# Altium PCB HallFM2.PcbDoc
Units mm, origin at the board's own origin, x right, y up, seen from the top; angles counter-clockwise.
Board outline 110 x 92 mm, 4 copper layers (Top Layer, Signal Layer 1, Signal Layer 2, Bottom Layer), stack 0.971 mm thick; 232 components, 162 nets, 862 pads, 26 vias.
Unrouted connection lines stored in the file: 550.
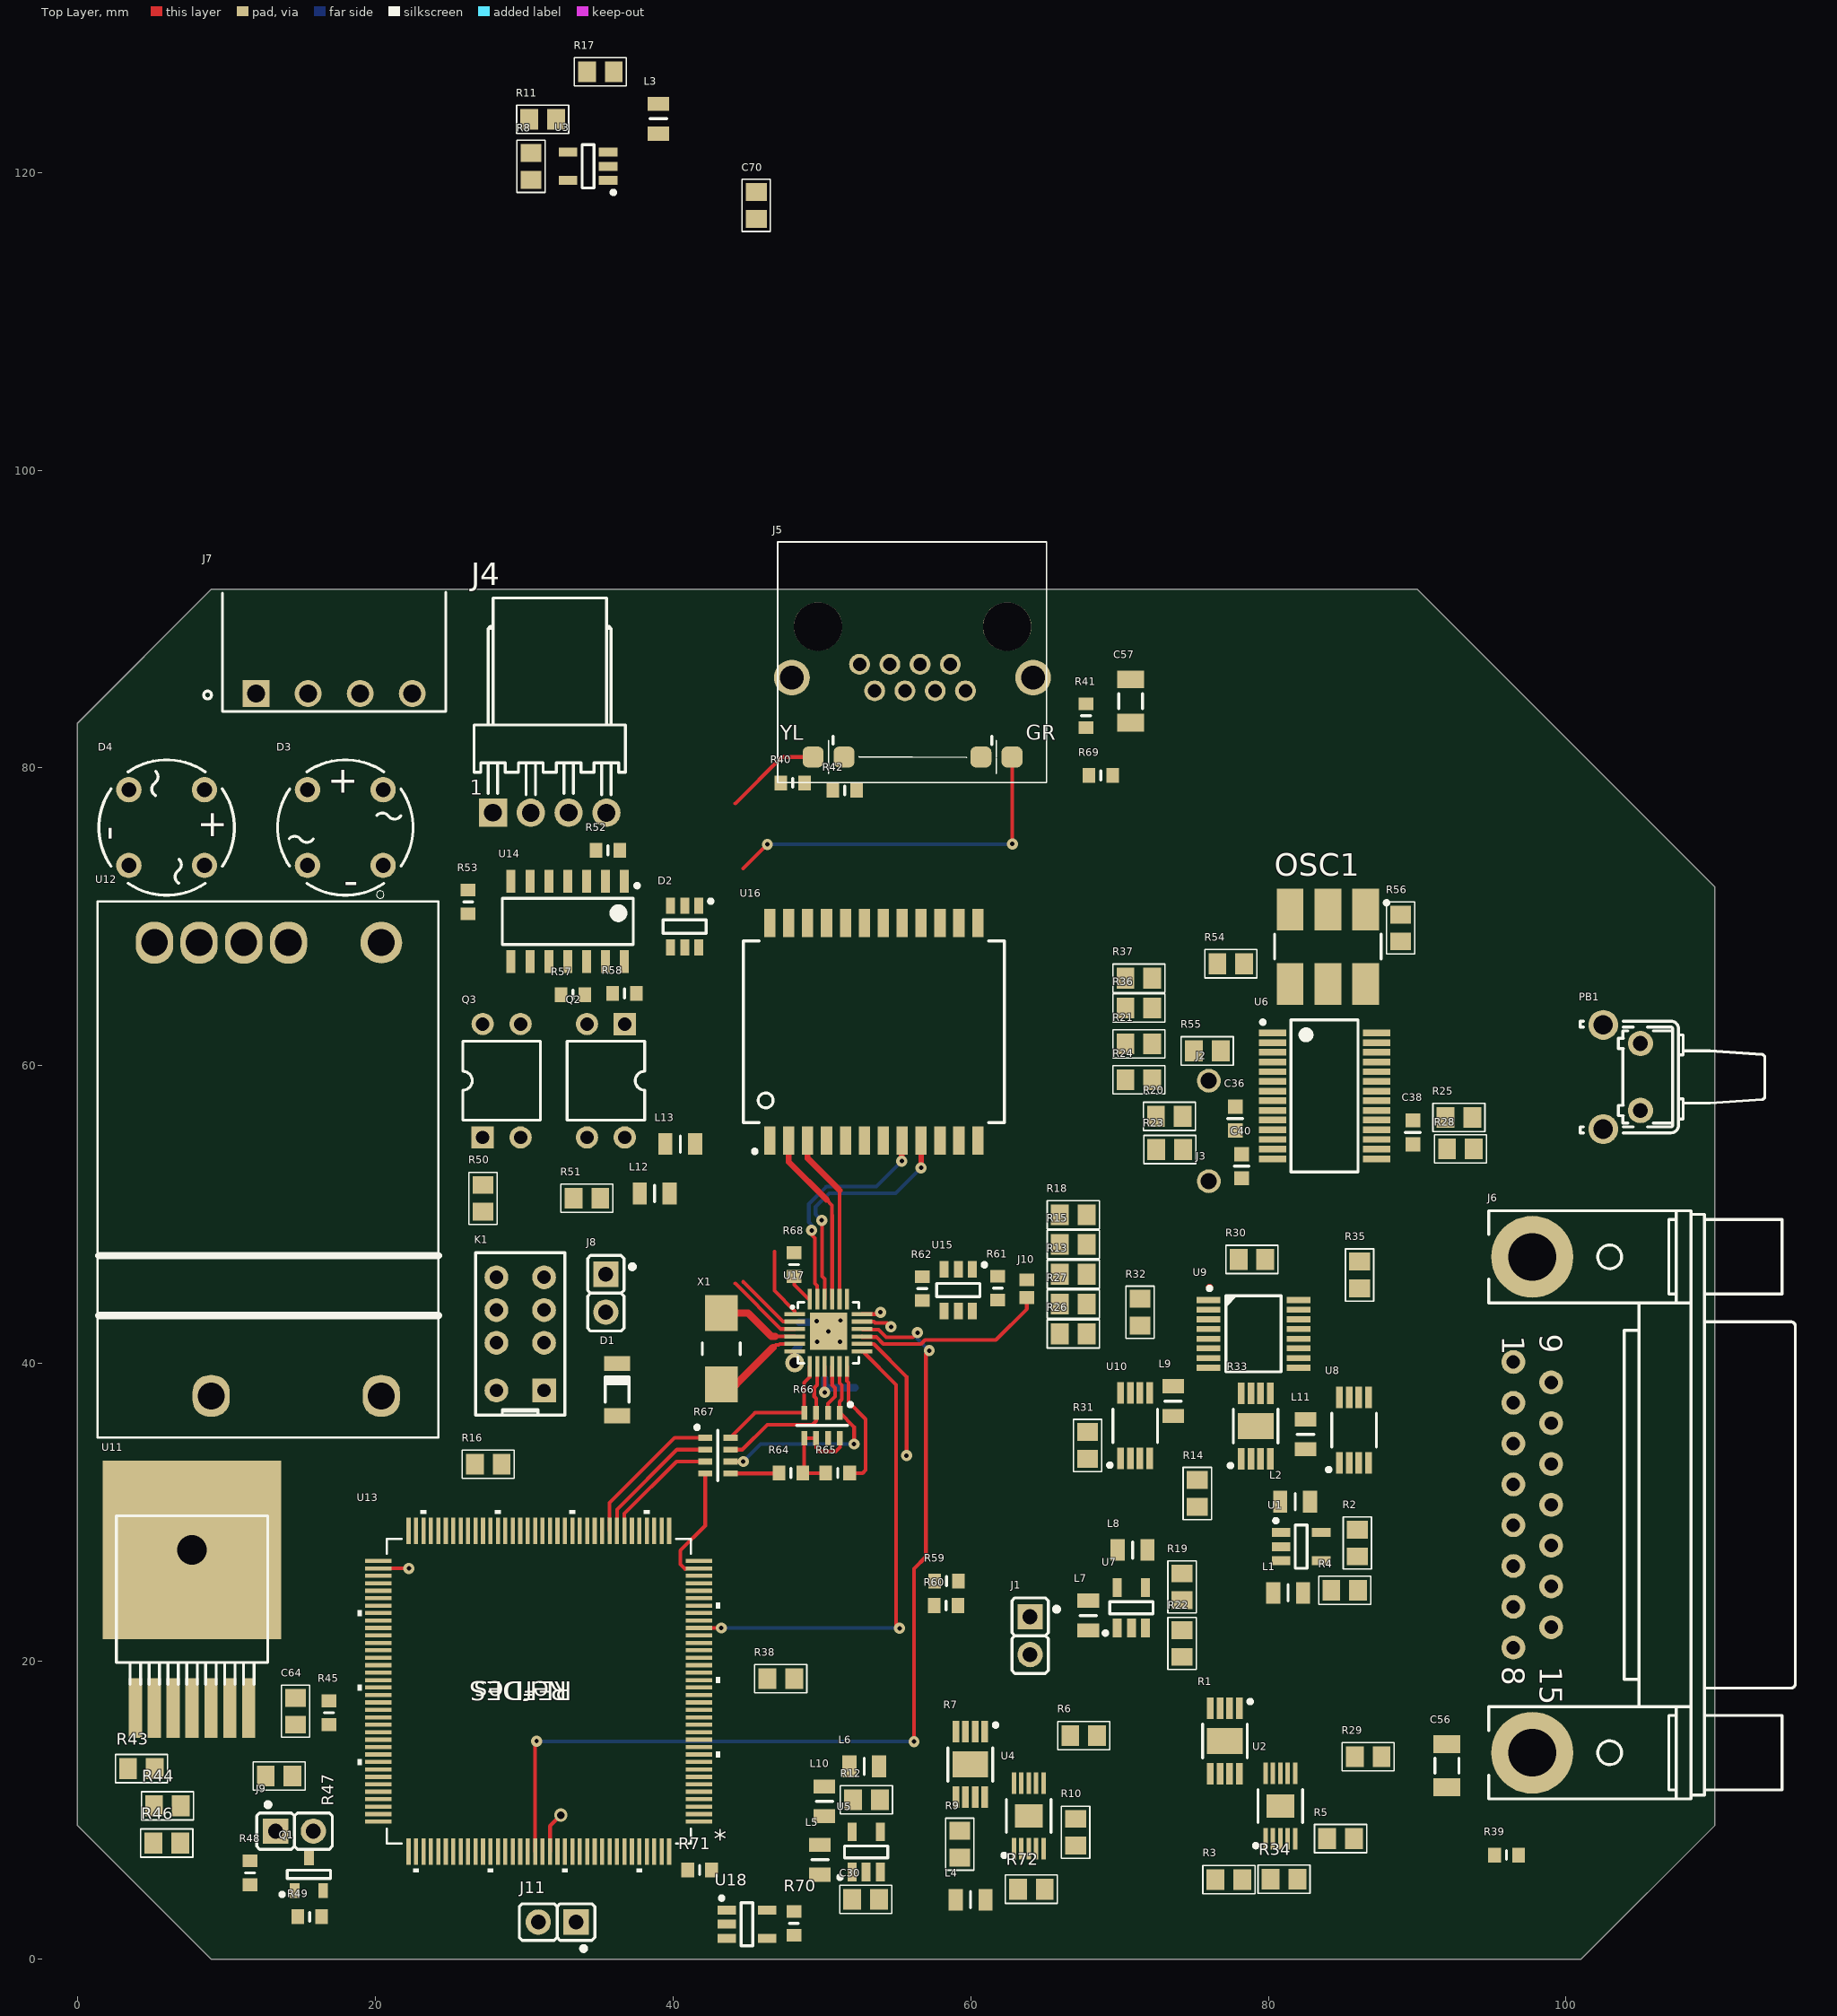
[diagram p0: Top Layer view]
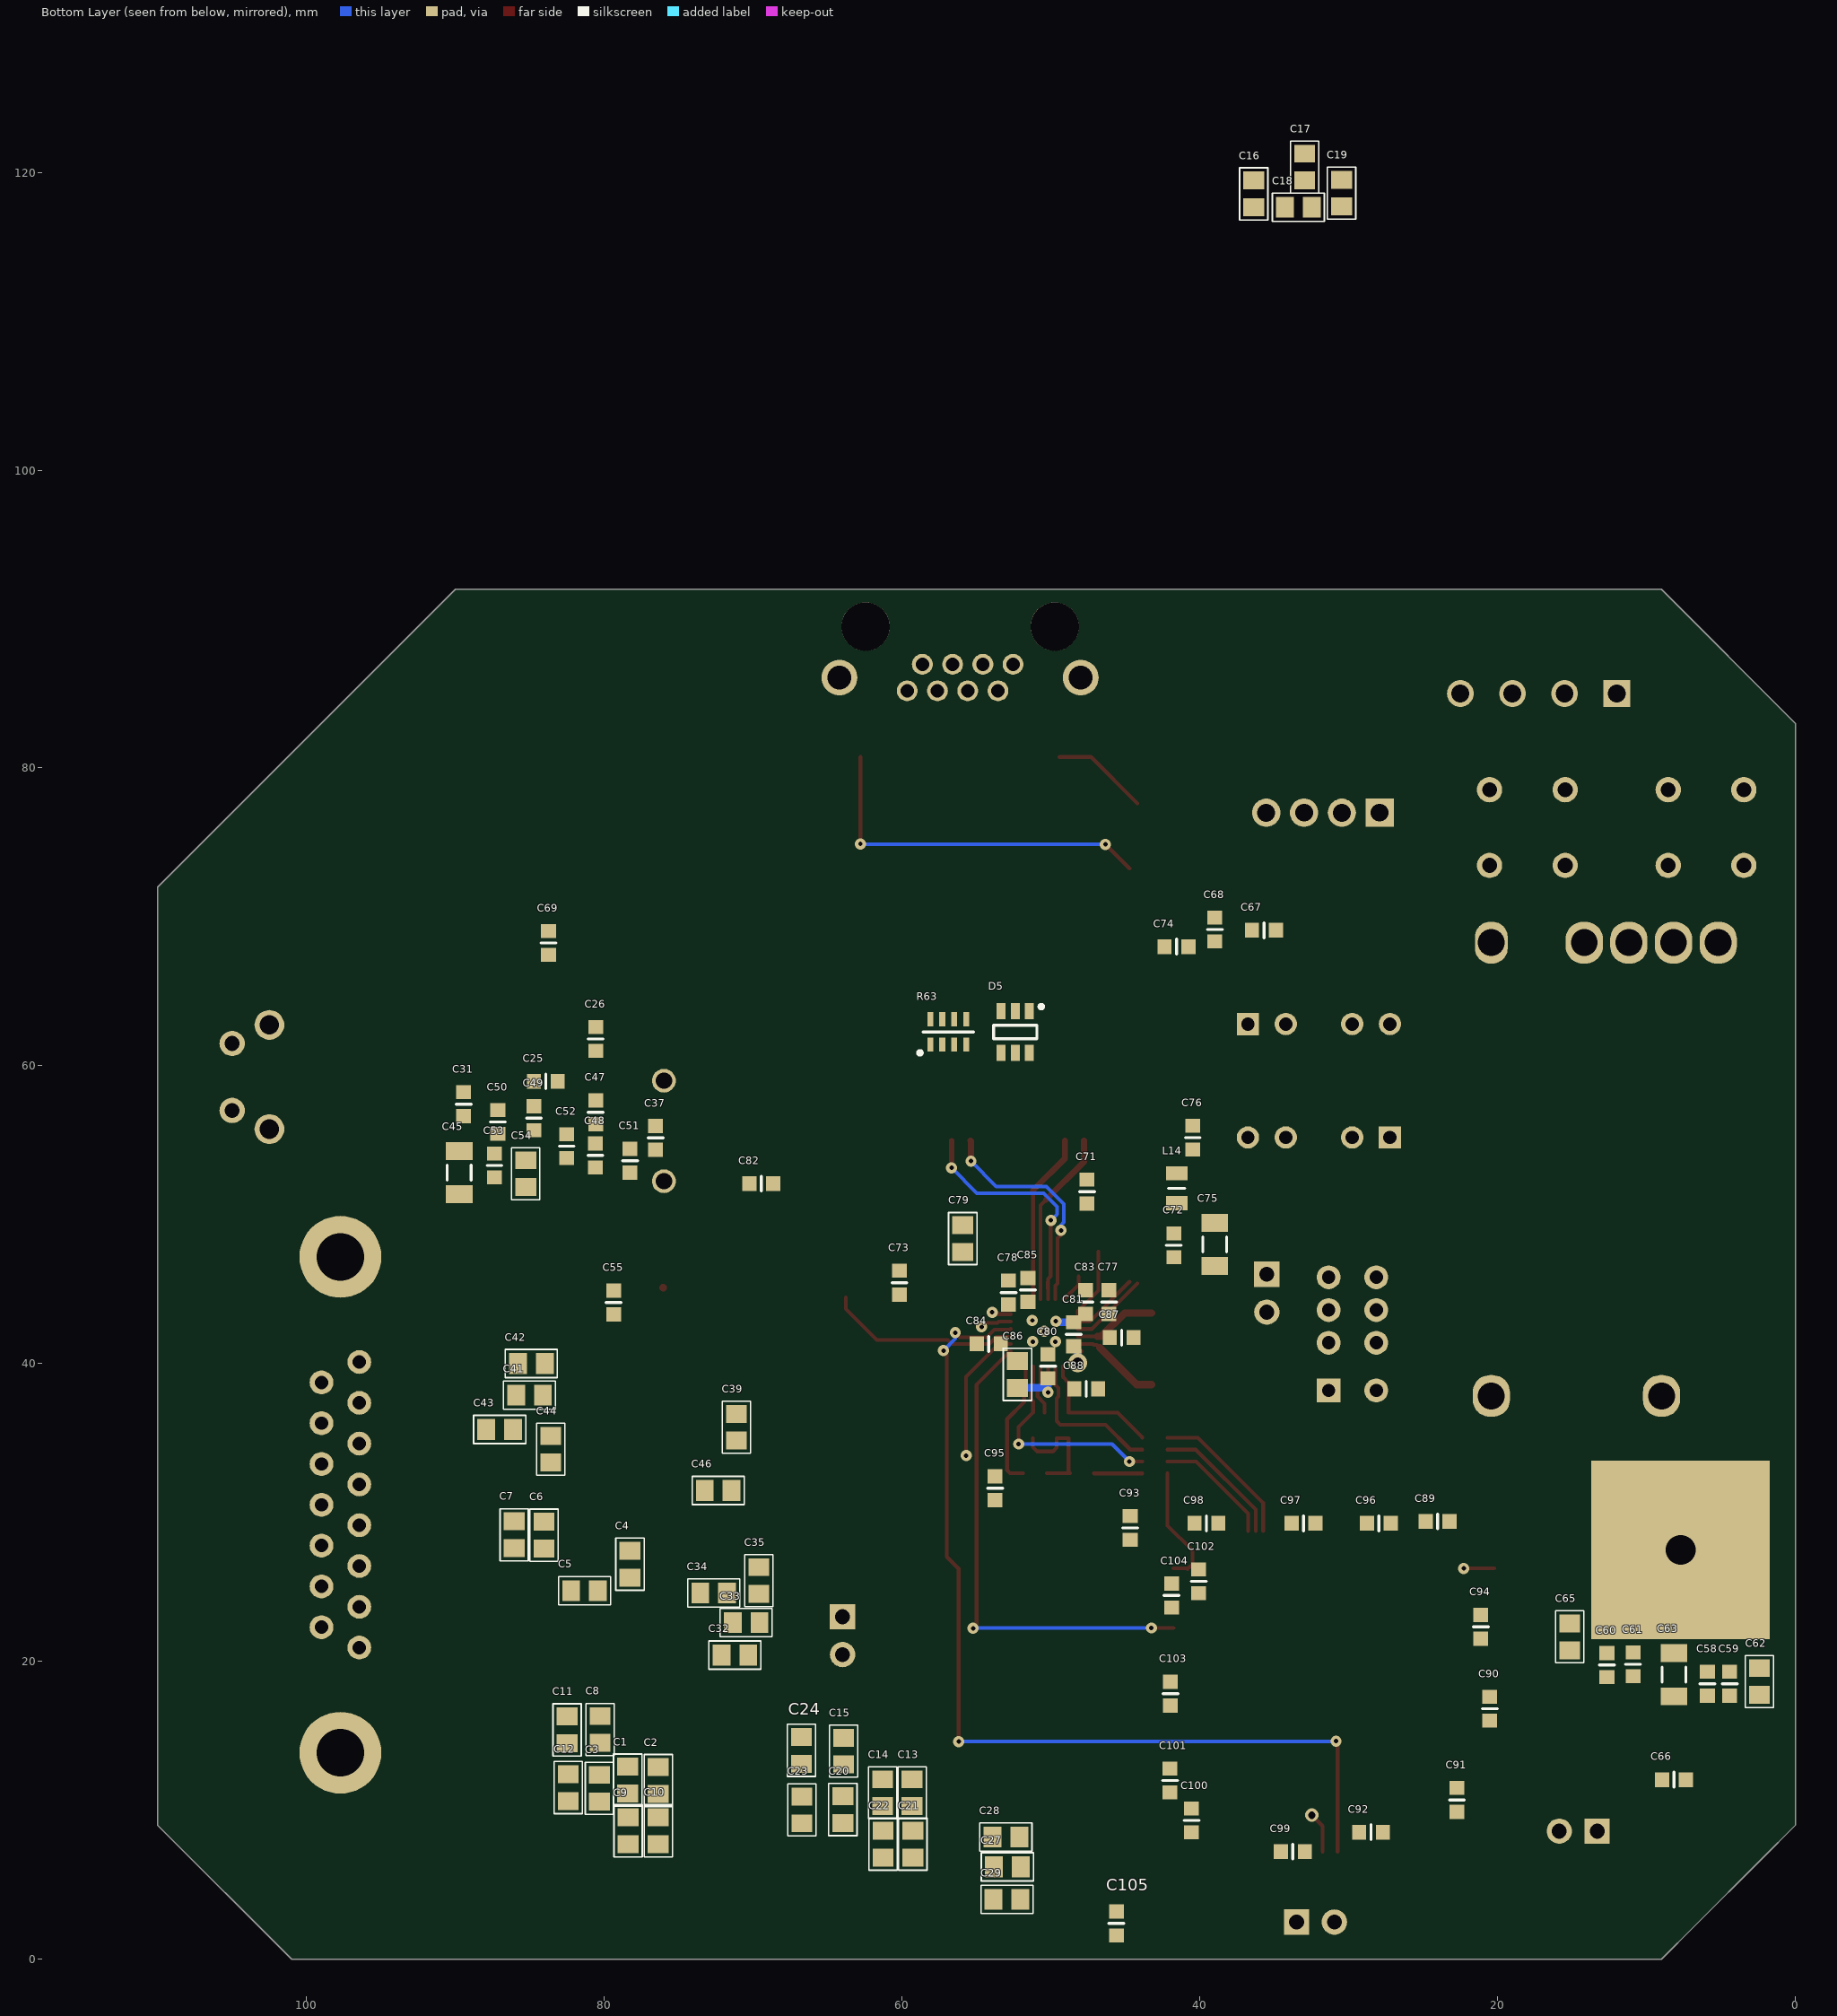
[diagram p1: Bottom Layer view, seen from below]
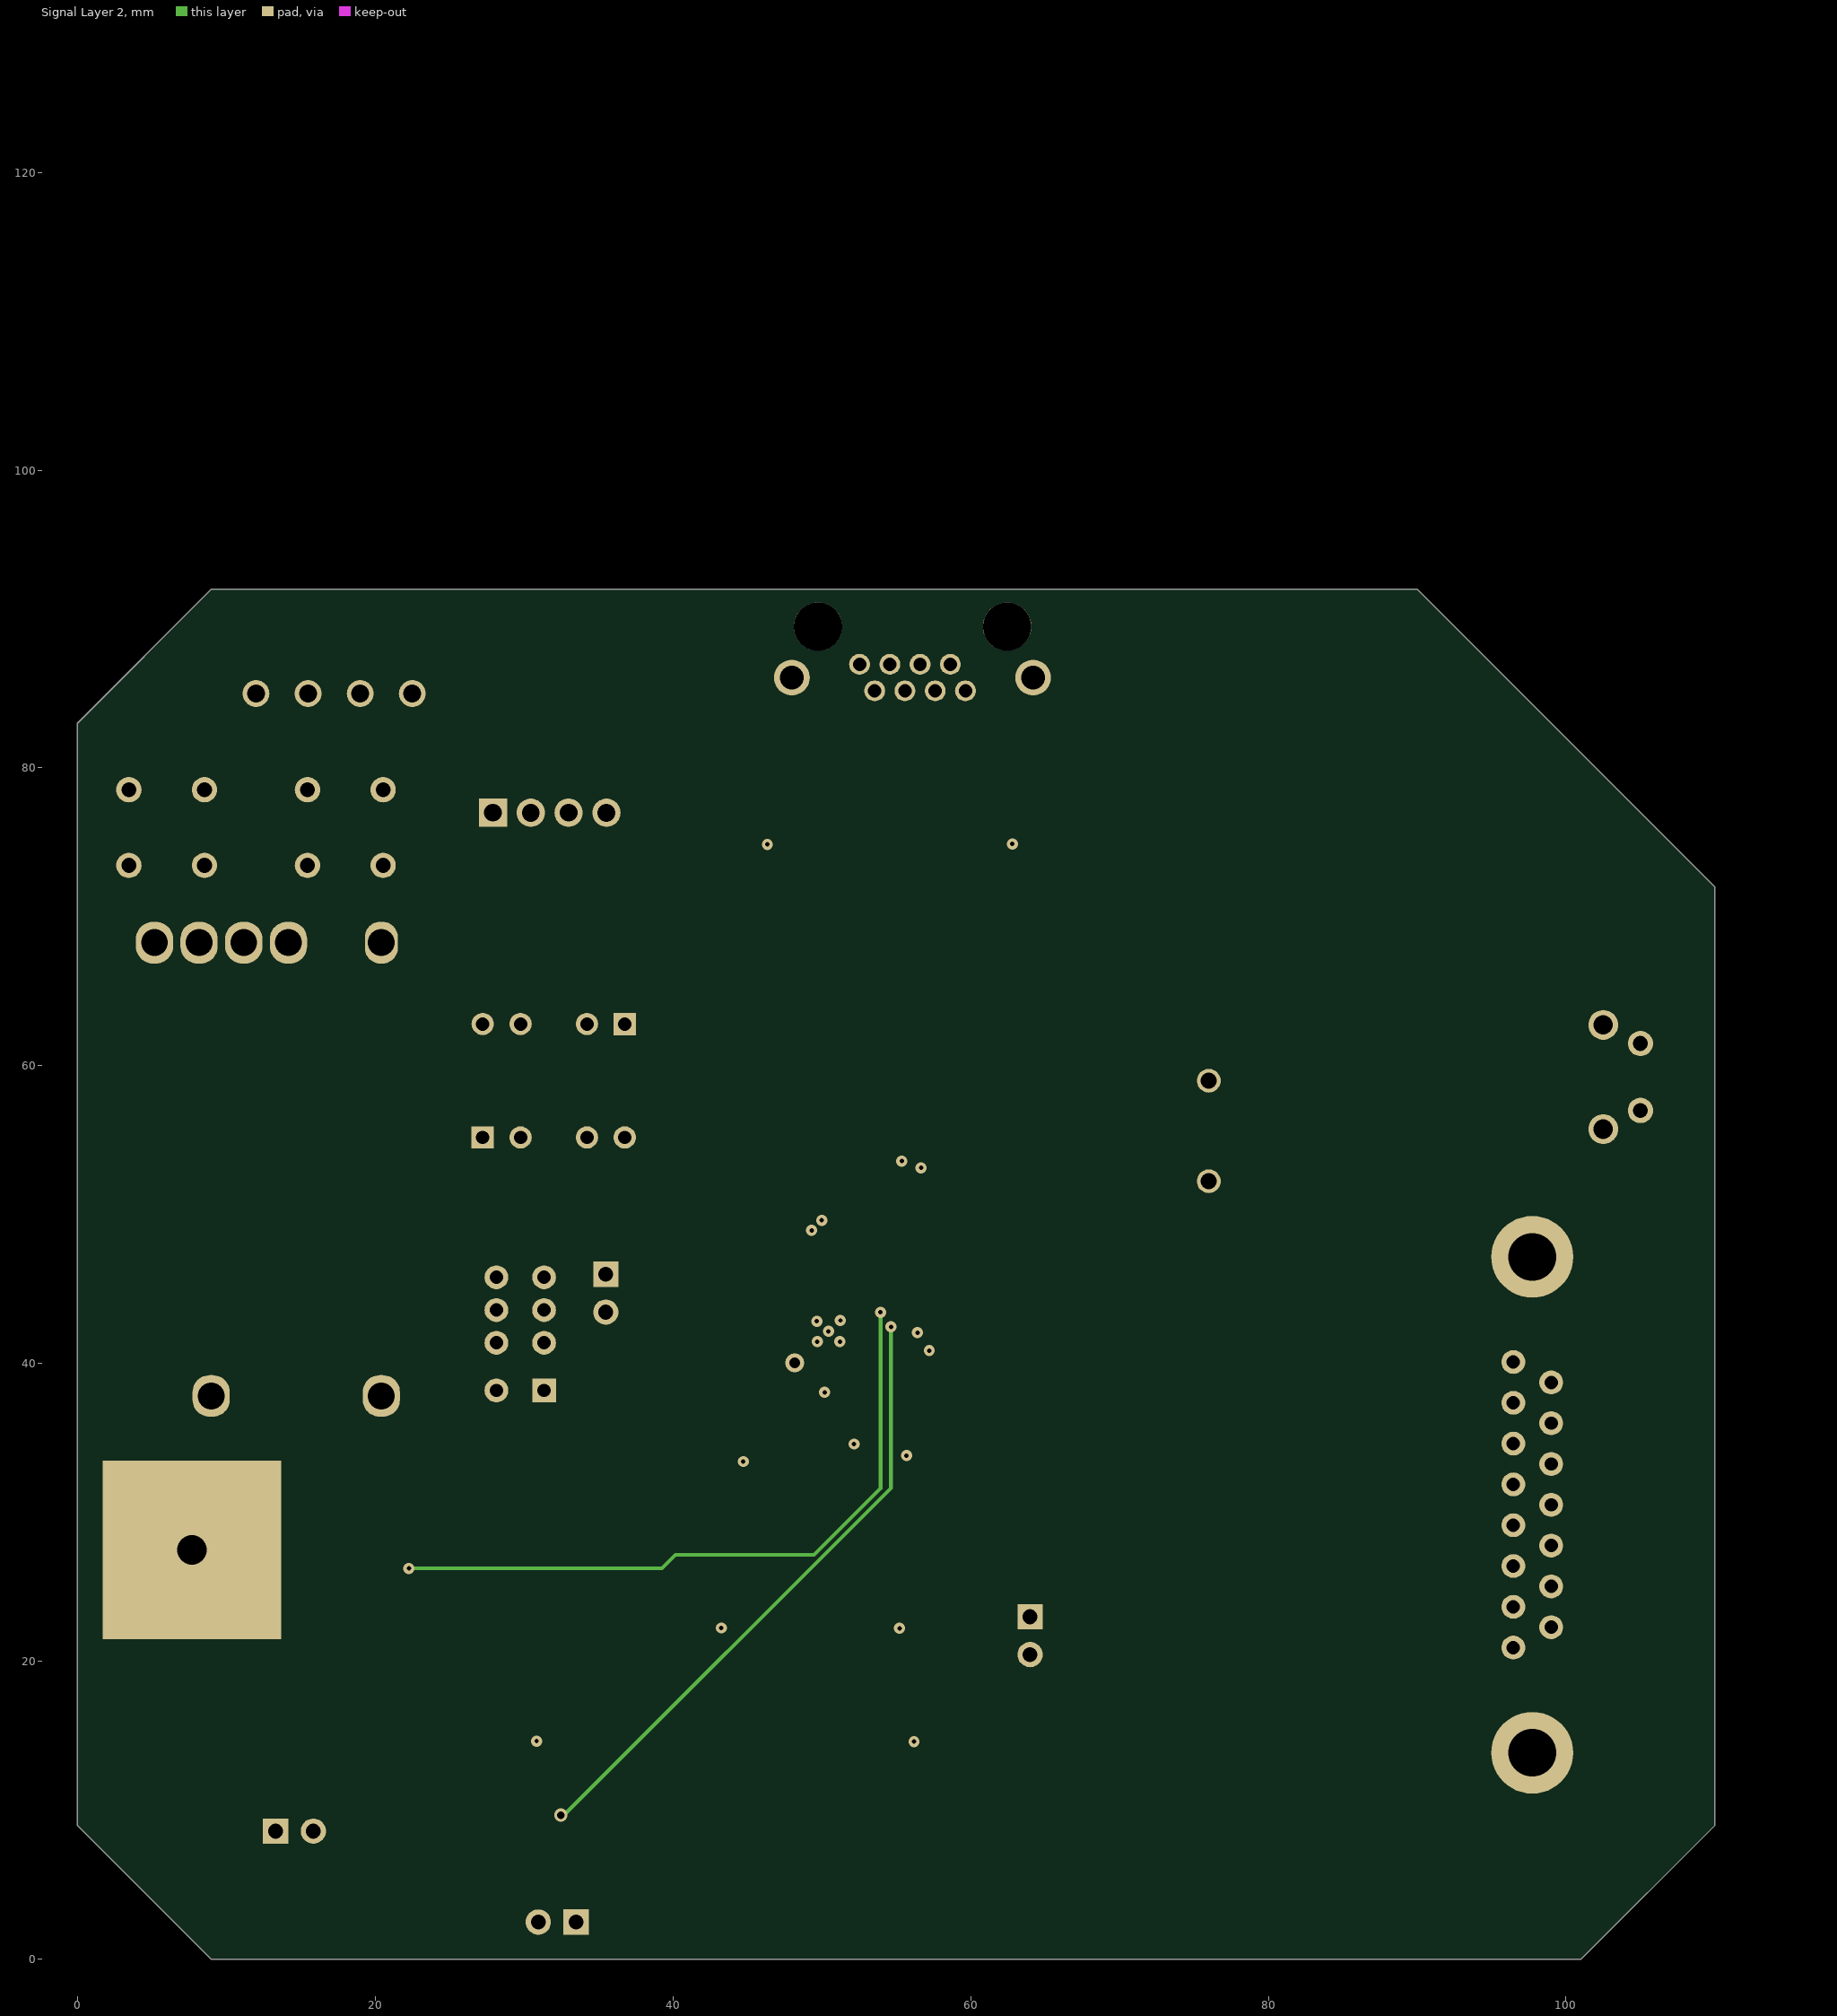
[diagram p2: Signal Layer 2]

## Layer stack, top to bottom
Top Solder: solder mask 0.0102, Solder Resist, Dk 3.5
Top Layer: signal copper 0.0356
Dielectric 3: dielectric 0.254, Dk 4.2
Signal Layer 1: signal copper 0.036
Dielectric 2: dielectric 0.254, Dk 4.2
Signal Layer 2: signal copper 0.036
Dielectric 1: dielectric 0.32, FR-4, Dk 4.8
Bottom Layer: signal copper 0.0356
Bottom Solder: solder mask 0.0102, Solder Resist, Dk 3.5

## Board outline
2.25,6.75 6.75,2.25 9,0 101,0 110,9 110,72 90,92 9,92 0,83 0,9

## Design rules (kind name [scope] priority, off if disabled: settings)
Clearance [All] p1: gap=0.3 ignorepadtopadclearanceinfootprint=FALSE except(0: Arc-Hole Track-Hole THPad-Hole Via-Hole Fill-Hole Poly-Hole Region-Hole Text-Hole; 0.1: Arc-Text Track-Text SMDPad-Text THPad-Text Via-Text Fill-Text Poly-Text Region-Text Text-Text; 0.2: Arc-Arc Arc-Track Arc-SMDPad Arc-THPad Arc-Via Track-Track Track-SMDPad Track-THPad Track-Via SMDPad-SMDPad SMDPad-THPad SMDPad-Via SMDPad-Hole THPad-THPad THPad-Via Via-Via)
DiffPairsRouting [All] p1: maxlimit=0.87 minlimit=0.2 mostfreqgap=0.25 toplayer_minwidth=0.25 toplayer_maxwidth=0.4 toplayer_prefwidth=0.35 midlayer1_minwidth=0.25 midlayer1_maxwidth=0.4 midlayer1_prefwidth=0.35 midlayer2_minwidth=0.25 midlayer2_maxwidth=0.4 midlayer2_prefwidth=0.35 bottomlayer_minwidth=0.25 bottomlayer_maxwidth=0.4 bottomlayer_prefwidth=0.35 maxuncoupledlength=12.7
MatchedLengths "Schematic Matched Net Lengths_3" [InNet('RD_N')] p1: tolerance=2.54 checknetsindiffpair=TRUE checkdiffpairvsdiffpair=FALSE checkxsignals=FALSE checkothers=FALSE
MatchedLengths "Schematic Matched Net Lengths_2" [InNet('RD_P')] p2: tolerance=2.54 checknetsindiffpair=TRUE checkdiffpairvsdiffpair=FALSE checkxsignals=FALSE checkothers=FALSE
MatchedLengths "Schematic Matched Net Lengths_1" [InNet('TD_N')] p3: tolerance=2.54 checknetsindiffpair=TRUE checkdiffpairvsdiffpair=FALSE checkxsignals=FALSE checkothers=FALSE
MatchedLengths "Schematic Matched Net Lengths" [InNet('TD_P')] p4: tolerance=2.54 checknetsindiffpair=TRUE checkdiffpairvsdiffpair=FALSE checkxsignals=FALSE checkothers=FALSE
PolygonConnect [All] p1: connectstyle=Relief reliefconductorwidth=0.254 reliefentries=4 polygonreliefangle="90 Angle" airgapwidth=0.254
RoutingVias [All] p1: holewidth=0.4 width=0.85 viastyle="Through Hole" minholewidth=0.3 minwidth=0.75 maxholewidth=1 maxwidth=1.5
SolderMaskExpansion [All] p1: expansion=0.102
Width [All] p1: maxlimit=2 minlimit=0.25 preferedwidth=0.35 toplayer_maxwidth=0.5 bottomlayer_maxwidth=0.5 minimp=50.000000 maximp=50.000000 favimp=50.000000
29 further rules are at their usual default settings.

## Classes and differential pairs
component class uC: C67 C68 C69 C70 C71 C72 C73 C74 C75 C76 C77 C78 C79 C80 C81 C82 C83 C84 C85 C86 C87 C88 C89 C90 C91 C92 C93 C94 C95 C96 C97 C98 C99 C100 C101 C102 C103 C104 C105 D2 D3 D4 D5 J10 L12 L13 L14 OSC1 PB1 R51 R52 R53 R54 R55 R56 R57 R58 R59 R60 R61 R62 R63 R64 R65 R66 R67 R68 R69 R70 R71 U13 U14 U15 U16 U17 U18 X1
component class Power: C58 C59 C60 C61 C62 C63 C64 C65 C66 D1 J8 J9 K1 Q1 Q2 Q3 R43 R44 R45 R46 R47 R48 R49 R50 U11 U12
component class main: C56 C57 J4 J5 J6 J7 R39 R40 R41 R42
component class "Current Srcs": C1 C2 C3 C4 C5 C6 C7 C8 C9 C10 C11 C12 C13 C14 C15 C16 C17 C18 C19 C20 C21 C22 C23 C24 J1 J11 L1 L2 L3 L4 R1 R2 R3 R4 R5 R6 R7 R8 R9 R10 R11 R34 R72 U1 U2 U3 U4
component class ADC: C25 C26 C27 C28 C29 C30 C31 C32 C33 C34 C35 C36 C37 C38 C39 C40 C41 C42 C43 C44 C45 C46 C47 C48 C49 C50 C51 C52 C53 C54 C55 J2 J3 L5 L6 L7 L8 L9 L10 L11 R12 R13 R14 R15 R16 R17 R18 R19 R20 R21 R22 R23 R24 R25 R26 R27 R28 R29 R30 R31 R32 R33 R35 R36 R37 R38 U5 U6 U7 U8 U9 U10
differential pair TD: +TD_P -TD_N
differential pair RD: +RD_P -RD_N

## Components (designator, comment, footprint, x,y, rotation, side; value= is the part's Value field where it differs from the comment)
C1 "10uF" SMD0805CAP 78.432,13.032 r270 bottom
C2 "33nF" SMD0805CAP 76.382,13.007 r270 bottom
C3 "33nF" SMD0805CAP 80.33,10.48 r90 bottom
C4 "33nF" SMD0805CAP 78.282,27.532 r270 bottom
C5 "10uF" SMD0805CAP 82.332,24.753 r180 bottom
C6 "33nF" SMD0805CAP 84.055,27.48 r90 bottom
C7 "10uF" SMD0805CAP 86.055,27.505 r90 bottom
C8 "10uF" SMD0805CAP 80.282,16.432 r270 bottom
C9 "33nF" SMD0805CAP 78.407,9.632 r270 bottom
C10 "10uF" SMD0805CAP 76.382,9.632 r270 bottom
C11 "10uF" SMD0805CAP 82.507,16.407 r270 bottom
C12 "33nF" SMD0805CAP 82.428,10.528 r90 bottom
C13 "10uF" SMD0805CAP 59.332,12.182 r270 bottom
C14 "33nF" SMD0805CAP 61.307,12.182 r270 bottom
C15 "33nF" SMD0805CAP 63.932,14.982 r270 bottom
C16 "33nF" SMD0805CAP 36.378,117.553 r90 bottom
C17 "10uF" SMD0805CAP 32.953,119.353 r90 bottom
C18 "33nF" SMD0805CAP 34.382,117.653 r180 bottom
C19 "10uF" SMD0805CAP 30.482,119.607 r270 bottom
C20 "10uF" SMD0805CAP 63.978,9.053 r90 bottom
C21 "33nF" SMD0805CAP 59.282,8.732 r270 bottom
C22 "10uF" SMD0805CAP 61.282,8.732 r270 bottom
C23 "10uF" SMD0805CAP 66.728,9.028 r90 bottom
C24 "33nF" SMD0805CAP 66.753,13.028 r90 bottom
C25 "33nF" CAPC1608X87N 83.93,58.955 r180 bottom
C26 "33nF" CAPC1608X87N 80.58,61.805 r270 bottom
C27 "33nF" SMD0805CAP 53.932,6.203 r180 bottom
C28 "10uF" SMD0805CAP 54.032,8.203 r180 bottom
C29 "33nF" SMD0805CAP 51.953,4.032 r0 bottom
C30 "10uF" SMD0805CAP 51.953,4.028 r0 top
C31 "33nF" CAPC1608X87N 89.455,57.43 r270 bottom
C32 "33nF" SMD0805CAP 70.228,20.432 r0 bottom
C33 "10uF" SMD0805CAP 71.482,22.603 r180 bottom
C34 "33nF" SMD0805CAP 73.657,24.603 r180 bottom
C35 "10uF" SMD0805CAP 69.632,26.432 r270 bottom
C36 "33nF" CAPC1608X87N 77.78,56.455 r90 top
C37 "33nF" CAPC1608X87N 76.555,55.155 r90 bottom
C38 "33nF" CAPC1608X87N 89.705,55.53 r90 top
C39 "33nF" SMD0805CAP 71.128,34.728 r90 bottom
C40 "33nF" CAPC1608X87N 78.205,53.255 r90 top
C41 "33nF" SMD0805CAP 84.028,37.882 r0 bottom
C42 "10uF" SMD0805CAP 83.903,40.007 r0 bottom
C43 "10uF" SMD0805CAP 88.03,35.58 r180 bottom
C44 "33nF" SMD0805CAP 83.607,35.257 r270 bottom
C45 "33n" CAPC1206 89.755,52.83 r90 bottom
C46 "33nF" SMD0805CAP 73.357,31.478 r180 bottom
C47 "3.3nF" CAPC1608X87N 80.58,56.88 r270 bottom
C48 "3.3nF" CAPC1608X87N 80.605,53.98 r90 bottom
C49 "3.3nF" CAPC1608X87N 84.73,56.48 r270 bottom
C50 "3.3nF" CAPC1608X87N 87.155,56.23 r270 bottom
C51 "3.3nF" CAPC1608X87N 78.28,53.63 r90 bottom
C52 "3.3nF" CAPC1608X87N 82.53,54.605 r270 bottom
C53 "3.3nF" CAPC1608X87N 87.38,53.305 r90 bottom
C54 "3.3nF" SMD0805CAP 85.278,51.753 r90 bottom
C55 "33nF" CAPC1608X87N 79.38,44.105 r90 bottom
C56 "1nF" CAPC1206 92,13 r90 top
C57 "1nF" CAPC1206 70.75,84.5 r90 top
C58 "33nF" CAPC1608X87N 5.905,18.505 r270 bottom
C59 "33nF" CAPC1608X87N 4.405,18.505 r270 bottom
C60 "33nF" CAPC1608X87N 12.655,19.755 r270 bottom
C61 "33nF" CAPC1608X87N 10.905,19.805 r270 bottom
C62 "1uF" SMD0805CAP 2.407,19.657 r270 bottom
C63 "10uF" CAPC1206 8.155,19.105 r270 bottom
C64 "33nF" SMD0805CAP 14.657,15.653 r90 top
C65 "1uF" SMD0805CAP 15.157,22.657 r270 bottom
C66 "33nF" CAPC1608X87N 8.155,12.055 r0 bottom
C67 "33nF" CAPC1608X87N 35.695,69.105 r0 bottom
C68 "33nF" CAPC1608X87N 38.995,69.155 r270 bottom
C69 "33nF" CAPC1608X87N 83.75,68.25 r270 bottom
C70 "10uF" SMD0805CAP 45.607,116.778 r90 top
C71 "33nF" CAPC1608X87N 47.58,51.555 r90 bottom
C72 "33nF" CAPC1608X87N 41.75,47.95 r90 bottom
C73 "33nF" CAPC1608X87N 60.18,45.438 r270 bottom
C74 "33nF" CAPC1608X87N 41.57,68.005 r0 bottom
C75 "10uF" CAPC1206 39,48 r90 bottom
C76 "33nF" CAPC1608X87N 40.475,55.175 r90 bottom
C77 "33nF" CAPC1608X87N 46.105,44.13 r90 bottom
C78 "33nF" CAPC1608X87N 52.85,44.775 r90 bottom
C79 "10uF" SMD0805CAP 55.923,47.398 r90 bottom
C80 "33nF" CAPC1608X87N 50.2,39.82 r270 bottom
C81 "470pF" CAPC1608X87N 48.475,41.975 r270 bottom
C82 "33nF" CAPC1608X87N 69.455,52.09 r180 bottom
C83 "100nF" CAPC1608X87N 47.68,44.13 r90 bottom
C84 "33nF" CAPC1608X87N 54.175,41.325 r0 bottom
C85 "33nF" CAPC1608X87N 51.55,44.95 r90 bottom
C86 "10uF" SMD0805CAP 52.252,40.277 r270 bottom
C87 "30pF" CAPC1608X87N 45.25,41.75 r180 bottom
C88 "30pF" CAPC1608X87N 47.63,38.305 r180 bottom
C89 "33nF" CAPC1608X87N 24.03,29.405 r180 bottom
C90 "33nF" CAPC1608X87N 20.53,16.83 r270 bottom
C91 "33nF" CAPC1608X87N 22.73,10.705 r90 bottom
C92 "33nF" CAPC1608X87N 28.505,8.53 r0 bottom
C93 "33nF" CAPC1608X87N 44.68,28.965 r90 bottom
C94 "33nF" CAPC1608X87N 21.13,22.33 r270 bottom
C95 "33nF" CAPC1608X87N 53.755,31.63 r90 bottom
C96 "33nF" CAPC1608X87N 27.98,29.28 r180 bottom
C97 "33nF" CAPC1608X87N 33.03,29.28 r180 bottom
C98 "33nF" CAPC1608X87N 39.555,29.28 r180 bottom
C99 "33nF" CAPC1608X87N 33.75,7.23 r0 bottom
C100 "33nF" CAPC1608X87N 40.555,9.33 r270 bottom
C101 "33nF" CAPC1608X87N 42.005,12.005 r90 bottom
C102 "33nF" CAPC1608X87N 40.08,25.38 r90 bottom
C103 "33nF" CAPC1608X87N 41.98,17.83 r90 bottom
C104 "33nF" CAPC1608X87N 41.9,24.425 r270 bottom
C105 "33nF" CAPC1608X87N 45.605,2.405 r90 bottom
D1 "DL4448" DIOMELF3515N 36.25,38.25 r270 top
D2 "IP4220CZ6" SOT95P270X145-6N 40.795,69.355 r270 top
D3 "W02G" RECTRON_RB15 18,76 r0 top
D4 "W02G" RECTRON_RB15 6,76 r270 top
D5 "IP4220CZ6" SOT95P270X145-6N 52.4,62.275 r270 bottom
J1 "PLS2" PLS2 64,23 r270 top
J2 "PLS1PGA_outP" PLS1 76,59 r0 top value=PGA_outP
J3 "PLS1PGA_out N" PLS1 76,52.25 r0 top value="PGA_out N"
J4 "WF-4RUART" MOLEX_WF4-angle 27.92,77 r0 top value=UART
J5 "Molex_438600010" Molex-43860-0010 52.544,86.96 r270 top
J6 "DBR-15F" AMPHENOL_L717DFA15S1ATN 97.73,30.52 r270 top
J7 "15EDGRC-3.5-04P-14" TE_284512-4 17.25,85 r0 top
J8 "PLS2MW_EN" PLS2 35.5,46 r270 top value=MW_EN
J9 "PLS2" PLS2 13.315,8.605 r0 top
J10 "JmpPCB" PCBJumper 63.78,45.038 r90 top
J11 "PLS2" PLS2 33.5,2.5 r180 top
K1 "G6J-2P-Y12VDC" REL_OMRON_G6J-2P-Y 29.75,42 r90 top value=12VDC
L1 "BLM211k" RESC2012X50N 81.33,24.605 r180 top value=1k
L2 "BLM211k" RESC2012X50N 81.805,30.73 r180 top value=1k
L3 "BLM211k" RESC2012X50N 39.03,123.605 r270 top value=1k
L4 "BLM211k" RESC2012X50N 60,4 r180 top value=1k
L5 "BLM211k" RESC2012X50N 49.88,6.68 r270 top value=1k
L6 "BLM211k" RESC2012X50N 52.855,12.955 r0 top value=1k
L7 "BLM211k" RESC2012X50N 67.905,23.08 r270 top value=1k
L8 "BLM211k" RESC2012X50N 70.88,27.48 r180 top value=1k
L9 "BLM211k" RESC2012X50N 73.605,37.48 r90 top value=1k
L10 "BLM211k" RESC2012X50N 50.18,10.605 r270 top value=1k
L11 "BLM211k" RESC2012X50N 82.5,35.25 r270 top value=1k
L12 "BLM211k" RESC2012X50N 38.775,51.425 r0 top value=1k
L13 "BLM211k" RESC2012X50N 40.5,54.75 r0 top value=1k
L14 "BLM211k" RESC2012X50N 41.55,51.775 r90 bottom value=1k
OSC1 "XLH7304.9152MHz" OSC_PERICOM_FRETHE025 84,68 r270 top value=4.9152MHz (schematic designator OSC5)
PB1 "#NAME?" PB_ALPS_SKHHLQA010 103.75,59.25 r180 top value="Man. Reset"
Q1 "AO3407A" SOT95P229X119-3N 15.555,5.705 r90 top
Q2 "817B" DIP4-300 35.5,59 r270 top
Q3 "817B" DIP4-300 28.5,59 r90 top
R1 "LT5400-6" SOP65P488X110-9N-R178X241 77.08,14.655 r270 top value=-6
R2 "1k" SMD0805RES 85.982,26.953 r90 top
R3 "1k5" SMD0805RES 76.353,5.353 r0 top
R4 "5k1" SMD0805RES 84.128,24.778 r0 top
R5 "20k" SMD0805RES 85.857,8.107 r180 top
R6 "Y1172_200R0000F" SMD0805RES 66.598,15.023 r0 top value=200R0000F
R7 "LT5400-6" SOP65P488X110-9N-R178X241 59.98,13.08 r270 top value=-6
R8 "0" SMD0805RES 30.478,121.407 r270 top
R9 "1k5" SMD0805RES 59.282,6.728 r90 top
R10 "20k" SMD0805RES 67.053,9.532 r270 top
R11 "5k1" SMD0805RES 32.257,123.557 r180 top
R12 "0" SMD0805RES 54.007,10.707 r180 top
R13 "1k" SMD0805RES 67.902,46.002 r180 top
R14 "5k1" SMD0805RES 75.228,32.282 r270 top
R15 "1k" SMD0805RES 67.902,48.002 r180 top
R16 "1k" SMD0805RES 28.602,33.252 r180 top
R17 "1k" SMD0805RES 34.128,126.753 r0 top
R18 "1k" SMD0805RES 67.902,50.002 r180 top
R19 "0" SMD0805RES 74.207,24.005 r90 top
R20 "1k" SMD0805RES 72.353,56.603 r0 top
R21 "100" SMD0805RES 72.307,61.482 r180 top
R22 "5k1" SMD0805RES 74.207,20.203 r90 top
R23 "1k" SMD0805RES 72.378,54.378 r0 top
R24 "1k" SMD0805RES 72.307,59.069 r180 top
R25 "1k" SMD0805RES 93.807,56.532 r180 top
R26 "1k" SMD0805RES 67.902,42.002 r180 top
R27 "1k" SMD0805RES 67.902,44.002 r180 top
R28 "1k" SMD0805RES 93.907,54.432 r180 top
R29 "1k" SMD0805RES 85.703,13.603 r0 top
R30 "1k" SMD0805RES 77.898,46.998 r0 top
R31 "1k" SMD0805RES 67.857,33.503 r90 top
R32 "1k" SMD0805RES 71.382,42.453 r90 top
R33 "LT5400-7" SOP65P488X110-9N-R178X241 79.155,35.805 r90 top value=-7
R34 "1k" SMD0805RES 82.057,5.382 r180 top
R35 "1k" SMD0805RES 86.132,44.953 r90 top
R36 "1k" SMD0805RES 70.303,63.88 r0 top
R37 "1k" SMD0805RES 70.303,65.879 r0 top
R38 "1k" SMD0805RES 46.248,18.848 r0 top
R39 "27k" RESC1608X64N 96,7 r180 top
R40 "300" RESC1608X64N 48.05,79 r0 top
R41 "300" RESC1608X64N 67.75,83.5 r270 top
R42 ".100k" RESC1608X64N 51.55,78.5 r180 top
R43 "27k" SMD0805RES 3.303,12.803 r0 top
R44 "3k3" SMD0805RES 5.053,10.303 r0 top
R45 "4k7" RESC1608X64N 16.905,16.555 r270 top
R46 "1k5" SMD0805RES 7.007,7.807 r180 top
R47 "1k" SMD0805RES 14.557,12.307 r180 top
R48 "27k" RESC1608X64N 11.605,5.805 r270 top
R49 "27k" RESC1608X64N 15.605,2.855 r0 top
R50 "4k7" SMD0805RES 27.248,52.102 r270 top
R51 "20k" SMD0805RES 33.228,51.103 r0 top
R52 ".100" RESC1608X64N 35.645,74.48 r180 top
R53 ".100" RESC1608X64N 26.25,71 r270 top
R54 "0" SMD0805RES 78.482,66.857 r180 top
R55 "0" SMD0805RES 74.898,60.998 r0 top
R56 "1k" SMD0805RES 88.882,68.253 r90 top
R57 ".100" RESC1608X64N 33.295,64.78 r0 top
R58 ".100" RESC1608X64N 36.745,64.855 r180 top